# Altium PCB PCB1.PcbDoc
Units mil, origin at the board's own origin, x right, y up, seen from the top; angles counter-clockwise.
Board outline 1589.8 x 590.55 mil, 4 copper layers (Top Layer, Int1 (GND), Int2 (PWR), Bottom Layer), stack 49.912 mil thick; 44 components, 39 nets, 229 pads, 119 vias.
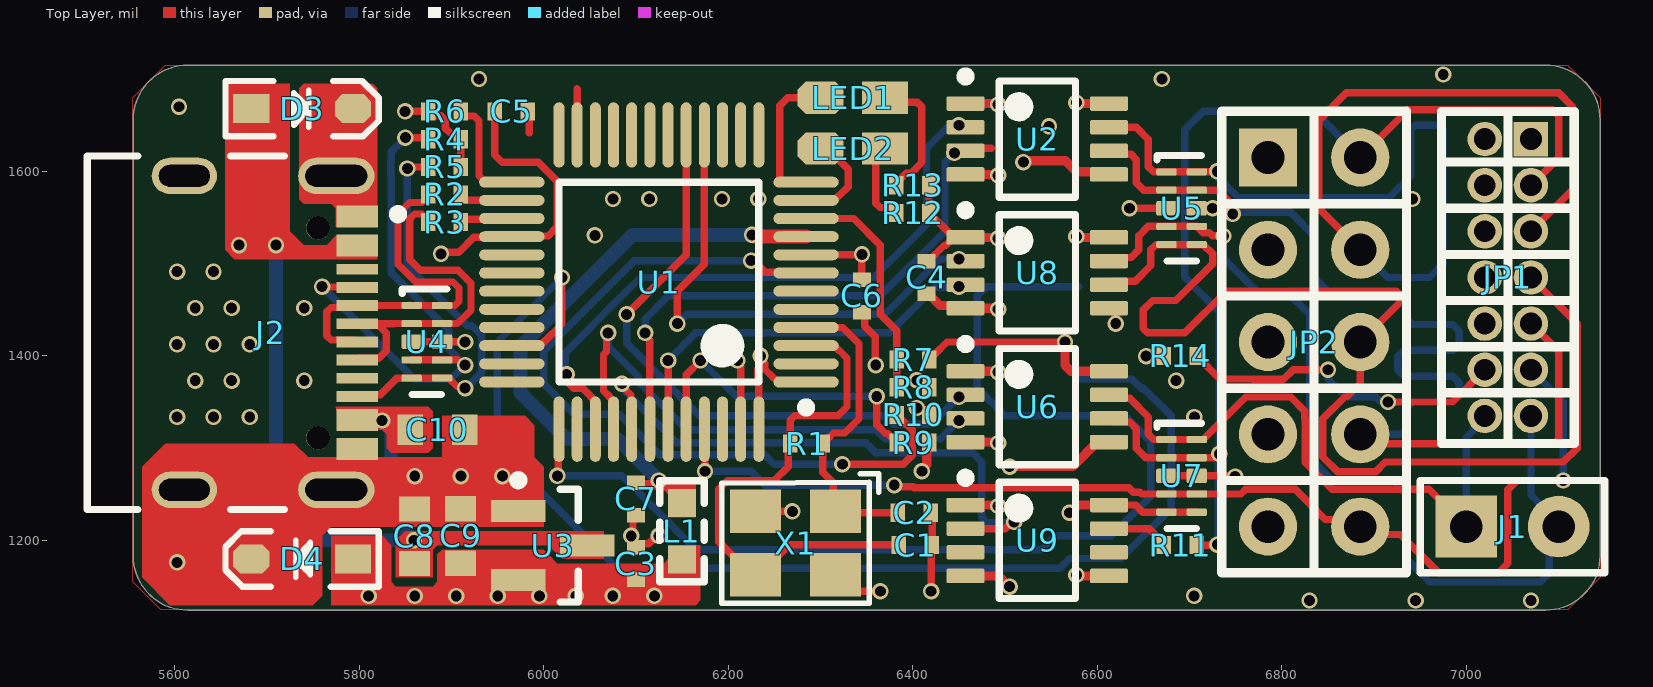
[diagram p0: Top Layer view]
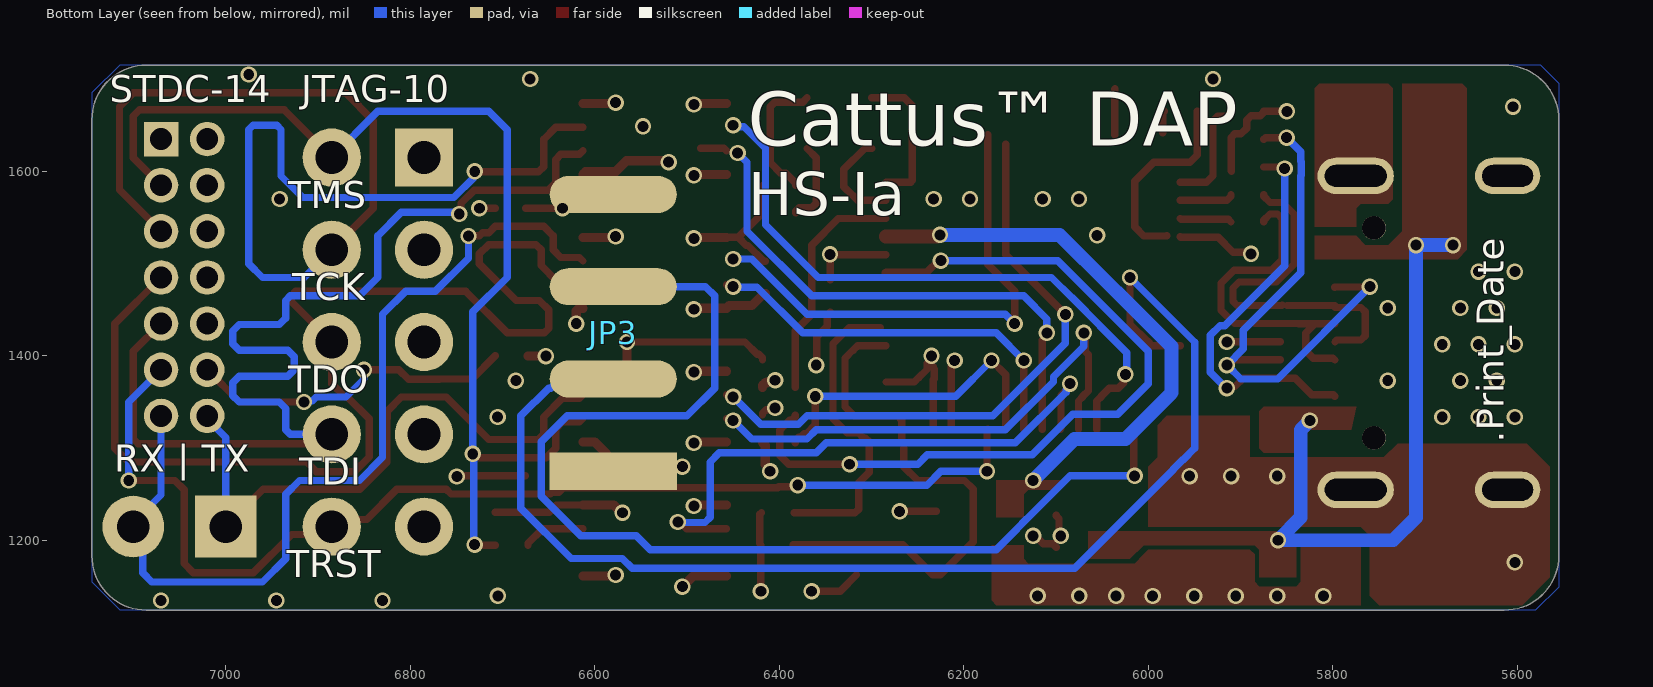
[diagram p1: Bottom Layer view, seen from below]
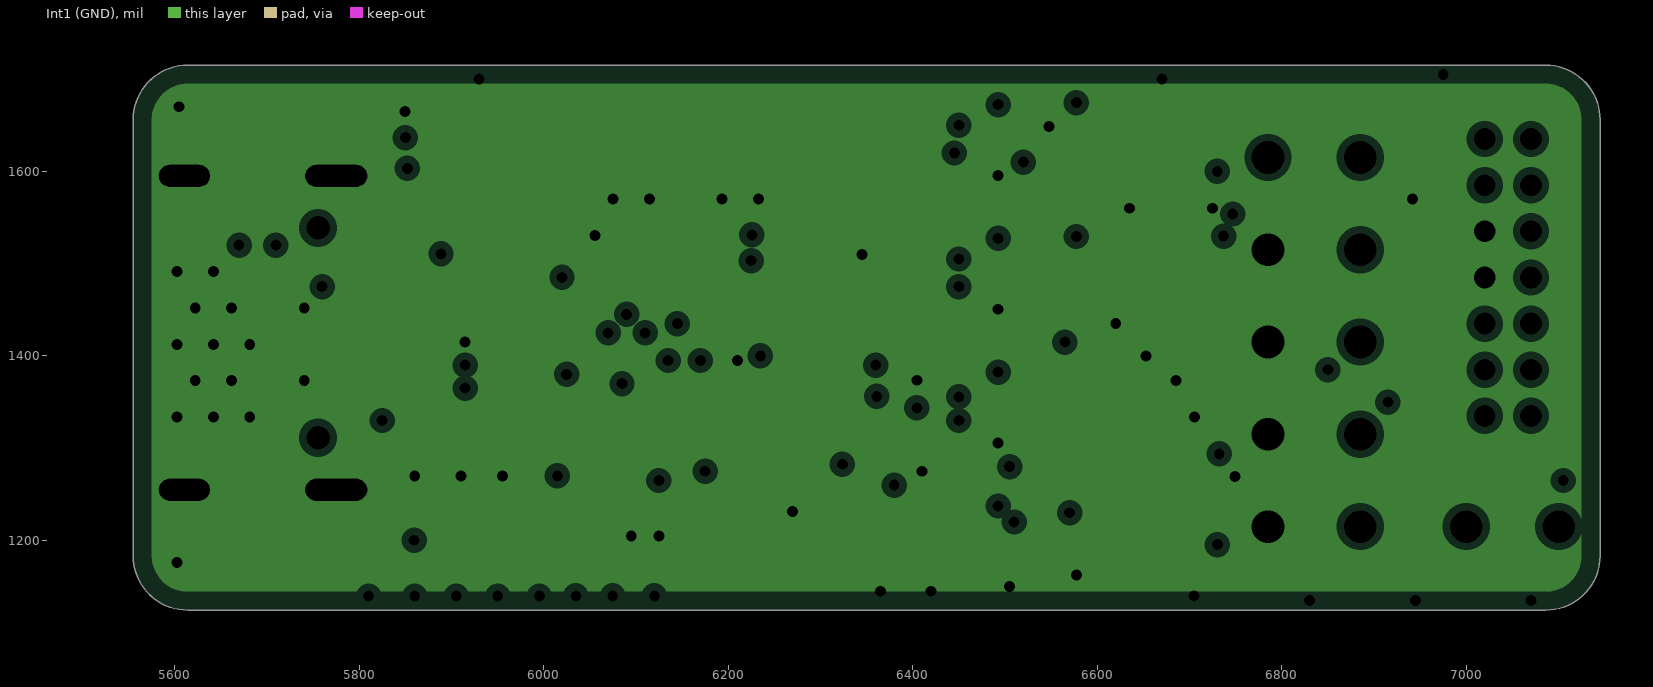
[diagram p2: Int1 (GND), clearances drawn from the general rule]
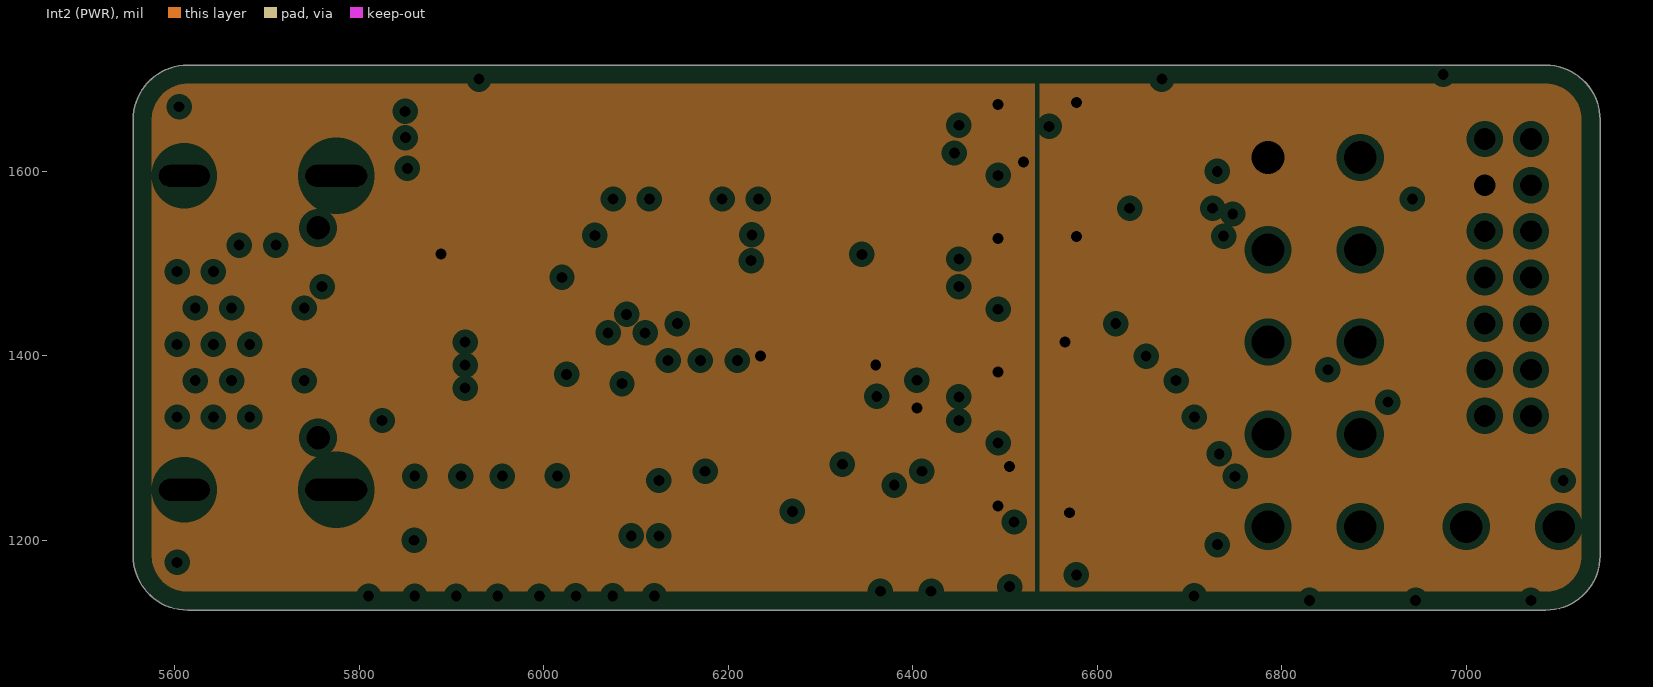
[diagram p3: Int2 (PWR), clearances drawn from the general rule]

## Layer stack, top to bottom
Top Solder: solder mask 1, SM-001, Dk 4
Top Layer: signal copper 1.378
Dielectric 1: prepreg 8.2, PP-022, Dk 4.5
Int1 (GND): plane copper 1.378, net GND
Dielectric 3: core 28, Core-039, Dk 4.8
Int2 (PWR): plane copper 1.378, net (Multiple Nets)
Dielectric 5: prepreg 8.2, PP-022, Dk 4.5
Bottom Layer: signal copper 1.378
Bottom Solder: solder mask 1, SM-001, Dk 4

## Board outline
5555.2,1183.5 5555.2,1655.94 cw(c5614.25,1655.94) 5614.25,1715 7085.94,1715 cw(c7085.94,1655.94) 7145,1655.94 7145,1183.5 cw(c7085.94,1183.5) 7085.94,1124.45 5614.25,1124.45 cw(c5614.25,1183.5)

## Design rules (kind name [scope] priority, off if disabled: settings)
Clearance [All] p1: gap=5 ignorepadtopadclearanceinfootprint=FALSE except(0: Arc-Hole Track-Hole SMDPad-Hole THPad-Hole Via-Hole Fill-Hole Poly-Hole Region-Hole Text-Hole)
DiffPairsRouting [All] p1: maxlimit=5 minlimit=5 mostfreqgap=5 toplayer_minwidth=7.77 toplayer_maxwidth=7.77 toplayer_prefwidth=7.77 bottomlayer_minwidth=7.77 bottomlayer_maxwidth=7.77 bottomlayer_prefwidth=7.77 impedanceprofiledriven=TRUE impedanceprofileid={6FD4D271-8D20-4799-85E0-E9145273AF38} impedanceprofilevalue=90.000000 maxuncoupledlength=500
MinimumSolderMaskSliver [All] p1: minsoldermaskwidth=3
PlaneClearance [All] p1: clearance=7.87
PlaneConnect [All] p1: pad.planeconnectstyle=Relief pad.reliefexpansion=20 pad.reliefentries=4 pad.reliefconductorwidth=10 pad.reliefairgap=10 via.planeconnectstyle=Direct via.reliefexpansion=20 via.reliefentries=4 via.reliefconductorwidth=10 via.reliefairgap=10
PolygonConnect [All] p1: thpad.connectstyle=Relief thpad.reliefconductorwidth=10 thpad.reliefentries=4 thpad.polygonreliefangle="90 Angle" thpad.airgapwidth=10 smdpad.connectstyle=Relief smdpad.reliefconductorwidth=10 smdpad.reliefentries=4 smdpad.polygonreliefangle="90 Angle" smdpad.airgapwidth=10 via.connectstyle=Direct via.reliefconductorwidth=10 via.reliefentries=4 via.polygonreliefangle="90 Angle" via.airgapwidth=10
RoutingVias [All] p1: holewidth=28 width=50 viastyle="Through Hole" minholewidth=11.81 minwidth=15.75 maxholewidth=11.81 maxwidth=17.72
SolderMaskExpansion SolderMaskExpansion_1 [IsVia] p1: expansion=0 istentingtop=TRUE
SolderMaskExpansion [All] p2: expansion=0 istentingtop=FALSE
Width [All] p1: maxlimit=20 minlimit=4 preferedwidth=8 minimp=50.000000 maximp=50.000000 favimp=50.000000
26 further rules are at their usual default settings.

## Classes and differential pairs
differential pair USB_HS_D: +USB_HS_D_P -USB_HS_D_N

## Components (designator, comment, footprint, x,y, rotation, side; value= is the part's Value field where it differs from the comment)
C1 "20pF" C0402 6402.72,1195 r0 top
C2 "20pF" C0402 6401.63,1230 r0 top
C3 "1uF" C0402 6100,1175 r90 top
C4 "1uF" C0402 6415,1485 r270 top
C5 "1uF" C0402 5965,1665 r0 top
C6 "1uF" C0402 6345,1465 r90 top
C7 "1uF" C0402 6100,1245 r270 top
C8 "10uF" C0603 5860,1204.53 r90 top
C9 "10uF" C0603 5910,1205 r90 top
C10 "10uF" C0603 5885,1320 r0 top
D3 "H5VLD3B" SOD-323 5738.33,1667.92 r0 top locked
D4 "H3V3SD3B" SOD-323 5738.33,1180 r180 top locked
J1 "HDR-1X2" HDR2.54-LI-2P 7050,1215 r0 top
J2 "USB4105-GF-A" FP-USB4105-GF-A-MFG 5656.64,1425 r270 top locked
JP1 "Header 2X7" HDR1.27-LI-2x7P 7045,1485 r270 top locked
JP2 "Header 5X2" HDR2.54-LI-2x5P 6835,1415 r270 top locked
JP3 "HDR-1X4" HDR2.54-WS-4P 6580,1425 r90 bottom
L1 "600Ohms@100Mhz" "L 0603_L" 6150,1210 r90 top
LED1 "RED_POWER" "LED 0603R" 6335,1680 r180 top
LED2 "GREEN_LINK" "LED 0603G" 6335,1625 r180 top
R1 "1M" R0402 6285,1305 r180 top
R2 "0" R0402 5892.72,1575 r0 top
R3 "0" R0402 5892.72,1545 r0 top
R4 "5.1k" R0402 5892.71,1634.7 r180 top
R5 "5.1k" R0402 5892.71,1604.7 r180 top
R6 "12k 1%" R0402 5892.71,1665 r0 top
R7 "10k" R0402 6400.46,1396.01 r0 top
R8 "10k" R0402 6400.46,1366.01 r180 top
R9 "10k" R0402 6400.46,1306.01 r180 top
R10 "10k" R0402 6400.46,1336.01 r180 top
R11 "100" R0402 6690,1195 r180 top
R12 "2.2k" R0402 6400,1555 r180 top
R13 "4.7k" R0402 6400,1585 r180 top
R14 "100" R0402 6690,1400 r0 top
U1 "AT32F405CCT7" STM-LQFP48_N 6125,1480 r180 top locked
U2 "SN74LVC2T45DCTR" DCT0008A_N 6535,1635 r0 top
U3 "XC6206P332MR" SOT-23-TT3_N 6010,1194.4 r0 top
U4 "H5VU25U" DQA0010A_V 5873.56,1415.31 r0 top locked
U5 "H5VU25U" DQA0010A_V 6691.44,1560 r0 top
U6 "SN74LVC2T45DCTR" DCT0008A_N 6535,1345 r0 top
U7 "H5VU25U" DQA0010A_V 6691.44,1270 r0 top
U8 "SN74LVC2T45DCTR" DCT0008A_N 6535,1490 r0 top
U9 "SN74LVC2T45DCTR" DCT0008A_N 6535,1200 r0 top
X1 "TBD" 3225 6273.03,1197.12 r180 top

## Footprints (in the part's own frame and the unit in brackets; to place one, negate y for a bottom-side part, rotate by r counter-clockwise, add the part's x,y. Pads: shape width x height; smd on the part's side, far side on the other; paste and mask are expansions set on the pad)
3225 [mm]
  rect 1.4x1.2 smd mask+0.051: 1(-1.1,-0.875) 2(1.1,-0.875) 3(1.1,0.875) 4(-1.1,0.875)
  silkscreen extent -2.29,-1.9 2.03,1.65
C0402 [mm]
  rect 0.4x0.5 smd: 1(-0.45,0) 2(0.45,0)
  body extent -0.5,-0.25 0.5,0.25, height 0.5
C0603 [mm]
  rect 0.7x0.85 smd: 1(-0.75,0) 2(0.75,0)
  body extent -0.8,-0.41 0.8,0.39, height 0.8
DCT0008A_N [mm] "SOP, 8-Leads, Body 2.9x3.2mm, Pitch 0.65mm, IPC Medium Density"
  rrect25% 1.05x0.4 smd: 1(-1.975,0.975) 2(-1.975,0.325) 3(-1.975,-0.325) 4(-1.975,-0.975) 5(1.975,-0.975) 6(1.975,-0.325) 7(1.975,0.325) 8(1.975,0.975)
  silkscreen extent -2.1,-1.6 1.05,1.85, body extent -2.01,-1.47 2.01,1.48, height 1.3
DQA0010A_V [mm] "SON, 10-Leads, Body 1x2.5mm, Pitch 0.5mm, TI Recommended"
  rrect50% 0.565x0.2 smd: 1(-0.417,1) 2(-0.417,0.5) 4(-0.417,-0.5) 5(-0.417,-1) 6(0.417,-1) 7(0.417,-0.5) 9(0.417,0.5) 10(0.417,1)
  rrect28% 0.565x0.36 on Top Paste: 3(-0.417,0) 8(0.417,0)
  rrect25% 0.565x0.4 smd paste-0.2: 3(-0.417,0) 8(0.417,0)
  silkscreen extent -0.67,-1.45 0.55,1.45, body extent -0.55,-1.3 0.55,1.3, height 0.56
FP-USB4105-GF-A-MFG [mm]
  rrect100% 1x2.1 hole 1.7 slot 0.6 at 0 deg paste-2539.97 mask+0: 1(-4.32,3.015) 2(4.32,3.015)
  rrect100% 1x1.8 hole 1.4 slot 0.6 at 0 deg paste-2539.97 mask+0: 3(-4.32,-1.165) 4(4.32,-1.165)
  rect 0.6x1.15 smd paste+0 mask+0: A1-B12(-3.2,3.59) A4-B9(-2.4,3.59) B1-A12(3.2,3.59) B4-A9(2.4,3.59)
  rect 0.3x1.15 smd paste+0 mask+0: A5(-1.25,3.59) A6(-0.25,3.59) A7(0.25,3.59) A8(1.25,3.59) B5(1.75,3.59) B6(0.75,3.59) B7(-0.75,3.59) B8(-1.75,3.59)
  round 0.65 hole 0.65 unplated paste-2539.97 mask+0: ""(-2.89,2.515) ""(2.89,2.515)
  silkscreen extent -4.86,-3.84 4.86,4.84, body extent -4.96,-3.94 4.96,4.27, height 0.25
HDR1.27-LI-2x7P [mm] "双排直插，脚距：1.27mm"
  rect 0.95x0.95 hole 0.6: 1(-3.81,0.635)
  round 0.95 hole 0.6: 2(-3.81,-0.635) 3(-2.54,0.635) 4(-2.54,-0.635) 5(-1.27,0.635) 6(-1.27,-0.635) 7(0,0.635) 8(0,-0.635) 9(1.27,0.635) 10(1.27,-0.635) 11(2.54,0.635) 12(2.54,-0.635) 13(3.81,0.635) 14(3.81,-0.635)
  silkscreen extent -4.57,-1.83 4.57,1.83, body extent -4.44,-1.7 4.45,1.7, height 3.85
HDR2.54-LI-2P [mm] "排针，2脚"
  rect 1.7x1.7 hole 0.9: 1(-1.27,0)
  round 1.7 hole 0.9: 2(1.27,0)
  silkscreen extent -2.54,-1.27 2.54,1.27, body extent -2.54,-1.27 2.54,1.27, height 8.5
HDR2.54-LI-2x5P [mm] "双排排针，5x2脚"
  rect 1.6x1.6 hole 0.9: 1(-5.08,-1.27)
  round 1.6 hole 0.9: 2(-5.08,1.27) 3(-2.54,-1.27) 4(-2.54,1.27) 5(0,-1.27) 6(0,1.27) 7(2.54,-1.27) 8(2.54,1.27) 9(5.08,-1.27) 10(5.08,1.27)
  silkscreen extent -6.35,-2.54 6.35,2.54, body extent -6.35,-2.54 6.35,2.54, height 8.5
HDR2.54-WS-4P [mm] "4P卧式贴片排针2.54"
  rect 1.02x3.5 smd: 1(-3.81,0)
  oval 1.02x3.5 smd: 2(-1.27,0) 3(1.27,0) 4(3.81,0)
"L 0603_L" [mil] "小功率贴片电感"
  rect 30x30 smd: 1(-30.59,0) 2(30.59,0)
  silkscreen extent -55,-24 55,24, body extent -31,-16 32,16, height 31
"LED 0603G" [mil] "绿色0603LED"
  rect 50x35 smd: 1(-35,0.26)
  oct 50x35 smd: 2(35,0.26)
  body extent -31,-16 32,16, height 24
"LED 0603R" [mil] "红色0603LED"
  rect 50x35 smd: 1(-35,0.26)
  oct 50x35 smd: 2(35,0.26)
  body extent -31,-16 32,16, height 24
R0402 [mm]
  rect 0.4x0.5 smd: 1(-0.45,0) 2(0.45,0)
  body extent -0.5,-0.25 0.5,0.25, height 0.3
SOD-323 [mm] "1.8x1.3X0.9mm（长宽高，不包括引脚）"
  rect 1x0.8 smd: 1(-1.4,0)
  oct 1x0.8 smd: 2(1.4,0)
  silkscreen extent -2.11,-0.76 2.11,0.76, body extent -1.34,-0.63 1.31,0.67, height 1
SOT-23-TT3_N [mm] "SOT23, 3-Leads, Body 2.9x1.3mm, Pitch 0.95mm, Lead Span 2.4mm, IPC Medium Density"
  rect 1.5x0.6 smd: 1(-0.95,0.95) 2(-0.95,-0.95) 3(0.95,0)
  silkscreen extent -1.07,-1.55 0.7,1.92, body extent -0.7,-1.52 0.7,1.53, height 1.12
STM-LQFP48_N [mm] "QFP, 48-Leads, Body 7x7mm, Pitch 0.5mm, IPC Medium Density"
  oval 1.8x0.3 smd: 1(-4.05,2.75) 2(-4.05,2.25) 3(-4.05,1.75) 4(-4.05,1.25) 5(-4.05,0.75) 6(-4.05,0.25) 7(-4.05,-0.25) 8(-4.05,-0.75) 9(-4.05,-1.25) 10(-4.05,-1.75) 11(-4.05,-2.25) 12(-4.05,-2.75) 25(4.05,-2.75) 26(4.05,-2.25) 27(4.05,-1.75) 28(4.05,-1.25) 29(4.05,-0.75) 30(4.05,-0.25) 31(4.05,0.25) 32(4.05,0.75) 33(4.05,1.25) 34(4.05,1.75) 35(4.05,2.25) 36(4.05,2.75)
  oval 0.3x1.8 smd: 13(-2.75,-4.05) 14(-2.25,-4.05) 15(-1.75,-4.05) 16(-1.25,-4.05) 17(-0.75,-4.05) 18(-0.25,-4.05) 19(0.25,-4.05) 20(0.75,-4.05) 21(1.25,-4.05) 22(1.75,-4.05) 23(2.25,-4.05) 24(2.75,-4.05) 37(2.75,4.05) 38(2.25,4.05) 39(1.75,4.05) 40(1.25,4.05) 41(0.75,4.05) 42(0.25,4.05) 43(-0.25,4.05) 44(-0.75,4.05) 45(-1.25,4.05) 46(-1.75,4.05) 47(-2.25,4.05) 48(-2.75,4.05)
  silkscreen extent -4.18,-2.75 2.75,3.57, body extent -3.5,-3.5 3.5,3.5, height 1.6

## Part data
C1 C2 C3 C4 C5 C6 C7 C8 C9 C10: library part C
D3 D4: library part Generic_BiTVS, "瞬态电压抑制二极管", BOM名称=瞬态电压抑制二极管, 学习资源=www.ooocke.com, 版权归属=源创客
J1: library part "Header 2", BOM名称=2P接插件, 学习资源=www.ooocke.com, 版权归属=源创客
J2: library part CMP-245163-000001-1, "CONN RCPT USB2.0 TYPEC 5A", Current Rating=5/6.25/1.25/0.25A, Manufacturer=GCT, Package=0, Temperature="-40°C to +85°C", Temperature Range High=+85°C, Temperature Range Low=-40°C, Voltage Rating=20V, Automotive=No, Category=Conn, ComponentLink2Description=Datasheet, ComponentLink2URL=https://gct.co/files/drawings/usb4105.pdf, Conn Orientation="Right Angle", Contact Material=Gold,Nickel, Device Class L1=Connectors, Device Class L2="USB Connectors", Device Class L3=unset, Digikey Description="CONN RCPT USB2.0 TYPEC 5A", Height=3.46mm, Is Female=yes, Lead Free=Yes, Manufacturer Part Number=USB4105-GF-A, Number Of Contacts=16, Octopart=https://octopart.com/usb4105-gf-a-gct-106627878, RoHS=TRUE, Usb Standard="USB 2.0"
JP1: library part "Header 7X2", "7*2P接插件", BOM名称=7*2P接插件, 学习资源=www.ooocke.com, 版权归属=源创客
JP2: "5*2P接插件", BOM名称=5*2P接插件, 学习资源=www.ooocke.com, 版权归属=源创客
JP3: library part "Header 4", "4P接插件", BOM名称=4P接插件, 学习资源=www.ooocke.com, 版权归属=源创客
L1: library part L
LED1 LED2: library part D
R1 R2 R3 R4 R5 R6 R7 R8 R9 R10 R11 R12 R13 R14: library part R
U1: library part CMP-0572-00014-2, "ARM Cortex-M4 32-bit MCU, 128 KB Flash, 32 KB Internal RAM, 37 I/Os, 48-pin LQFP, -40 to 85 degC, Tray", I/Os (High Current)=37, Operating Frequency(F) (Processor speed) (MHz)=72, PartNumber=STM32F303CBT6, Supply Voltage(Vcc) min (V)=2, ComponentLink1Description="Manufacturer URL", ComponentLink1URL=http://www.st.com/web/en/home.html, ComponentLink2Description=Datasheet, ComponentLink2URL=http://www.st.com/st-web-ui/static/active/en/resource/technical/document/datasheet/DM00058181.pdf, ComponentLink3Description="Package Specification", ComponentLink3URL=http://www.st.com/st-web-ui/static/active/en/resource/technical/document/datasheet/DM00058181.pdf, Core="ARM Cortex-M4", D/A Converter="2x12-bit (2 Channel)", DatasheetVersion="Rev. 6", FLASH Size (Prog) (kB)=128, Internal RAM Size (kB)=32, Mounting Technology="Surface Mount", PackageDescription="48-Pin Low Profile Quad Flat Package, 7 x 7 mm Body, 0.5 mm Pitch", PackageReference=LQFP48, PackageVersion="Rev. 6, 06/2013", Packing=Tray
U2 U6 U8 U9: library part CMP-0859-00006-4, "Dual-Bit Dual Supply Transceiver with Configurable Voltage Translation and 3-State Outputs, DCT0008A, LARGE T&R", F @ Nom Voltage(Max)(Mhz)=150, Generic Part Number=SN74LVC2T45, ICC @ Nom Voltage(Max)(mA)=0.004, Manufacturer="Texas Instruments", Operating Temperature Range(C)="-40 to 85", Rating=Military, tpd @ Nom Voltage(Max)(ns)=17.7,10.3,8.3,7.2, Voltage(Nom)(V)=1.8,2.5,3.3,5, 3-State Output=Yes, Bits(#)=2, DatasheetVersion=SCES516J, Input Type=CMOS/TTL, Logic=True, Output Drive (IOL/IOH)(Max)(mA)=32/-32, Output Type=CMOS, PackageReference=DCT0008A, Schmitt Trigger=No, Sub-Family="Dual Supply Translator", Technology Family=LVC, VCC(Max)(V)=5.5, VCC(Min)(V)=1.65
U3: library part CMP-0136-00791-1, "Low Quiescent Current LDO, 3-Pin SOT-23, Extended Temperature, Tape and Reel", Code_IPC=SOT23-3, DatasheetVersion="revB, Feb-2007", PackageDescription="3-Lead Plastic Small Outline Transistor (TT) [SOT-23]", PackageReference=SOT-23-TT3, PackageVersion="revBB, Aug-2009"
U4 U5 U7: library part CMP-0326-00027-3, "ESD Solution for Super-Speed (6 GBPS) USB 3.0 Interface, 4 Channels, -40 to +85 degC, 10-pin SON (DQA), Green (RoHS & no Sb/Br)", Breakdown Voltage(Min)(V)=8, Differential Capacitance(pF)=0.05, IO Capacitance(Typ)(pF)=0.8, IO Leakage Current(nA)=10, Manufacturer="Texas Instruments", PartNumber=TPD4EUSB30DQAR, 1394 / Firewire=TRUE, ComponentLink1Description="Manufacturer URL", ComponentLink1URL=http://www.ti.com/, ComponentLink2Description=Datasheet, ComponentLink2URL=http://www.ti.com/general/docs/lit/getliterature.tsp?genericPartNumber=TPD4EUSB30&fileType=pdf, ComponentLink3Description="URL Link1", ComponentLink3URL=SamplesURL:http://www.ti.com/product/tpd4eusb30#samples, DatasheetVersion=SLVSAC2C, Eco-Plan="Green (RoHS & no Sb/Br)", HDMI=TRUE, IEC 61000-4-2 Air-Gap(+/- kV)=8, IEC 61000-4-2 Contact(+/- kV)=8, Mounting Technology="Surface Mount", PackageDescription="10-Pin Plastic Small Outline No-Lead, 1 x 2.5 x 0.55 mm Body, 0.5 mm Pitch", PackageReference=DQA0010A, PackageVersion="revB, Sep-2009", Serial ATA / eSATA=TRUE, SubFamily="ESD Solution", USB Full Speed=TRUE, USB High Speed=TRUE, USB Super Speed=TRUE
X1: library part X

## Via types
v1: diameter 17.72, hole 11.81, Top Layer to Bottom Layer, tented both sides, 119 vias

## Nets (pads, with @x,y where several pads share a name; then routed paths per layer and width w, separated by ;. In a path a pad name is that pad's centre, name@x,y a point inside that pad or via, vN(x,y) a via of type N, cw(c..) or ccw(c..) an arc to the next point about the centre after c; other vN are vias at no path point)
3V3: C3.1 C4.1 C5.1 C6.1 C9.1 D4.1 JP3.1 L1.1 R10.1 R12.1 R13.1 U1.1 U1.28 U1.48 U2.1 U2.5 U3.2 U6.1 U6.5 U8.1 U9.1 | length 1011
  Top Layer w7.99: v1(5888.87,1510.63) 5890.73,1512.49 5908.36,1512.49 5924.35,1528.48 5964.82,1528.48 U1.28 ; C5.1 5947.28,1617.72 5955,1610 5994.42,1610 6015,1589.42 6015,1540 6004.94,1529.94 5980.06,1529.94 U1.28@5980,1530 ; 6233.14,1388.4 6233.14,1386.37 6232.21,1385.44 6232.21,1375.16 6233.27,1374.1 U1.48 ; 6236.86,1388.4 6236.86,1398.14 v1(6235,1400) 6235,1397.37 6240.02,1392.35 6240.02,1390.46 6240.02,1385.24 6248.75,1376.52 6249.1,1376.52 6253.89,1371.73 U1.1 ; C6.1 6347.9,1444.39 6347.9,1432.1 6359.27,1420.73 6359.27,1390.73 v1(6360,1390) ; v1(6404.48,1343.59) 6406.34,1341.73 6414.3,1341.73 6418.18,1337.85 R10.1 ; C4.1 6416.97,1502.72 6433.92,1519.67 6435.73,1519.67 U8.1@6444.45,1528.39 ; R13.1 6417.72,1555.12 U8.1@6444.45,1528.39 ; U8.1 U8.1@6444.45,1528.39
  Top Layer w10: U9.1 6491.57,1238.39 v1(6492.59,1237.37) ; U6.1 6491.57,1383.39 v1(6492.59,1382.37) ; U8.1 6491.57,1528.39 v1(6492.59,1527.37) ; U2.1 6491.57,1673.39 v1(6492.59,1672.37) ; v1(6505,1280) 6573.35,1280 6599.96,1306.61 U6.5 ; v1(6520,1610) 6521.48,1611.48 6565.61,1611.48 6577.6,1599.49 6609.88,1599.49 U2.5
  other v1: 5810.37,1139.77 5860.37,1139.77 5905.37,1139.77 5950.37,1139.77 5995.37,1139.77 6035,1140 6075,1140 6120,1140
5V: C8.1 C10.1 D3.1 J2.A4-B9 J2.B4-A9 U3.3 | length 639
  Bottom Layer w15: v1(5670,1520) v1(5710,1520) 5710,1225 5734.77,1200.23 v1(5859.63,1200.23) 5835,1224.86 5835,1319.85 5825,1329.85 v1(5825,1330)
DEBUGGER_SWDCK: JP3.3 U1.37 | length 1236.7
  Top Layer w7.99: v1(6015,1270) 6016,1271 6016,1319.82 U1.37
  Bottom Layer w7.99: v1(6015,1270) 6085,1270 6132.15,1222.85 6132.4,1222.85 6142.85,1212.4 6142.85,1212.15 6165,1190 6540,1190 6555,1205 6615,1205 6657.89,1247.89 6657.89,1307.11 6630,1335 6500,1335 6470,1365 6470,1465 6480,1475 JP3.3
DEBUGGER_SWDIO: JP3.2 U1.34 | length 1356.1
  Top Layer w7.99: U1.34 5996.1,1411.1 6000.89,1415.89 6001.25,1415.89 6020,1434.63 v1(6020,1485)
  Bottom Layer w7.99: v1(6020,1485) 5950,1415 5950,1300 5962.38,1287.62 5962.77,1287.62 5973.22,1277.16 5973.22,1276.78 6080,1170 6559.52,1170 6570.01,1180.49 6625.49,1180.49 6680,1235 6680,1335 6650,1365 6647.52,1365 6637.52,1375 JP3.2
GND: C1.2 C2.2 C3.2 C4.2 C5.2 C6.2 C7.2 C8.2 C9.2 C10.2 D3.2 D4.2 J2.1 J2.2 J2.3 J2.4 J2.A1-B12 J2.B1-A12 JP1.6 JP1.8 JP2.3 JP2.5 JP2.7 JP2.9 JP3.4 R4.1 R5.1 R6.1 R8.1 R9.1 R14.1 U1.8 U1.23 U1.47 U2.4 U3.1 U4.3@5857.13,1415.32 U4.8@5890,1415.32 U5.3@6675,1560 U5.8@6707.87,1560 U6.4 U7.3@6675,1270 U7.8@6707.87,1270 U8.4 U8.5 U9.4 U9.5 X1.2 X1.4 | length 1114.7
  Top Layer w7.99: v1(5850,1665) R6.1 5875,1664.07 5878.87,1660.19 5888.87,1660.19 5893.56,1655.51 5893.56,1646.67 5899.68,1640.55 5906.55,1640.55 5910.43,1636.67 R4.1 R5.1 5910.43,1600.43 R5.1@5910,1600 ; U4.3@5857.13,1415.32 5857.28,1415.16 5914.84,1415.16 v1(5915,1415) ; C5.2 5984.52,1663.2 5984.52,1641.74 ; 6036.19,1689.51 6036.42,1689.28 U1.23 ; v1(6095,1205) 6096.86,1206.86 6096.86,1223.41 6100,1226.55 C7.2 ; C3.2 6103.88,1196.59 6113.96,1196.59 6122.37,1205 v1(6125,1205) ; v1(6210,1395) 6210,1392.37 6213.58,1388.79 U1.47 ; X1.2 v1(6269.67,1231.57) ; U1.8 6344.53,1509.53 v1(6345,1510) C6.2 ; X1.4 6334.01,1145 v1(6365,1145) ; C2.2 6421.03,1228.31 C1.2@6421.03,1196.69 ; v1(6420,1145) 6420.22,1145.22 6420.22,1194.78 C1.2 ; v1(6635,1560) U5.3@6675,1560 ; U7.3@6675,1270 v1@6748.82,1270 ; U5.8@6707.87,1560 v1(6725,1560)
  Top Layer w10: v1(6404.48,1373.59) 6405.96,1372.11 6412.08,1372.11 6413.34,1370.85 6415.31,1370.85 6418.18,1367.98 R8.1 ; v1(6410,1275) 6410,1277.09 6415.31,1282.39 6415.31,1303.14 R9.1 ; C4.2 6416.97,1467.28 6429.76,1454.49 6454.37,1454.49 U8.4 6491.57,1451.61 v1(6492.59,1450.59) ; U9.4 6492.91,1161.61 6504.53,1150 v1(6505,1150) ; U6.4 6491.57,1306.61 v1(6492.59,1305.59) ; U2.4 6491.57,1596.61 v1(6492.59,1595.59) ; v1(6577.41,1162.63) 6578.43,1161.61 U9.5 ; U8.5 6617.13,1451.61 6620,1448.74 v1(6620,1435) ; v1(6653.01,1399.69) 6653.32,1400 R14.1
  other v1: 6830,1135 6945,1135 7070,1135 6705,1140 5602.87,1176.3 6749.44,1269.39 5860.37,1269.77 5910.37,1269.77 5955.37,1269.77 5602.87,1333.78 5642.24,1333.78 5681.61,1333.78 6705.24,1333.78 5622.56,1373.15 5661.93,1373.15 5740.67,1373.15 6685.55,1373.15 5602.87,1412.52 5642.24,1412.52 5681.61,1412.52 5622.56,1451.89 5661.93,1451.89 5740.67,1451.89 5602.87,1491.26 5642.24,1491.26 6055.63,1530.63 6075.31,1570 6114.69,1570 6193.43,1570 6232.8,1570 6941.46,1570 6547.76,1648.74 5605,1670 5930,1700 6670,1700 6975,1705
LINK_LED: LED2.2 U1.11 | length 110
  Top Layer w7.99: U1.11 6315.01,1568.58 6319.79,1573.37 6320.15,1573.37 6330,1583.22 6330,1602.24 6307.5,1624.74 LED2.2
NetC1_1: C1.1 R1.2 U1.3 X1.3 | length 581.5
  Top Layer w7.99: R1.2@6265,1300 6265,1280 6250,1265 6199.25,1265 6190,1255.75 6190,1198.46 6225.79,1162.67 X1.3 6233.66,1162.67 6266.28,1195.29 6384.71,1195.29 C1.1 ; R1.2 6267.29,1330.32 6271.97,1335 6319.08,1335 6328.88,1344.8 6328.88,1397.59 6320.15,1406.32 6319.79,1406.32 6315.01,1411.1 U1.3
NetC2_1: C2.1 R1.1 U1.4 X1.1 | length 338.4
  Top Layer w7.99: U1.4@6290.79,1430.79 6324.21,1430.79 6341.87,1413.13 6341.87,1331.87 6326.4,1316.4 6314.12,1316.4 6308.56,1310.85 6306.59,1310.85 6302.72,1306.97 6302.72,1273.81 6314.03,1262.5 6314.03,1233.89 6317.91,1230 C2.1
NetC7_1: C7.1 L1.2 U1.9 | length 599.9
  Top Layer w15: v1(6225.81,1531.2) 6226.55,1531.2 6228.35,1529.4 6245.6,1529.4 6245.79,1529.21 U1.9
  Bottom Layer w15: v1(6125,1265) 6080,1310 6025,1310 5975,1360 5975,1410 6028.64,1463.64 6028.85,1463.64 6041.36,1476.15 6041.36,1476.36 6096.2,1531.2 v1(6225.81,1531.2)
NetJP1_12: JP1.12 R14.2 | length 362
  Top Layer w7.99: R14.2 6732.73,1374.98 6767.75,1374.98 6768.23,1374.51 6801.77,1374.51 6812.26,1385 v1(6850,1385) ; v1(6915,1350) 6985.01,1350 JP1.12
  Bottom Layer w7.99: v1(6850,1385) 6850,1375 6869.51,1355.49 6901.77,1355.49 6906.13,1351.13 6913.87,1351.13 v1(6915,1350)
NetLED1_1: LED1.1 R13.2 | length 143.5
  Top Layer w7.99: LED1.1 6374.74,1675 6405,1675 6410,1670 6410,1609.53 6398.34,1597.87 6393.18,1597.87 6382.29,1586.97 R13.2
NetLED2_1: LED2.1 R12.2 | length 91.2
  Top Layer w7.99: LED2.1 6360,1614.75 6360,1565.53 6364.68,1560.85 6378.41,1560.85 6382.29,1556.97 R12.2
NetR2_2: R2.2 U1.26 | length 58.9
  Top Layer w7.77: R2.2 5910.43,1573.03 5914.88,1568.58 U1.26
NetR3_2: R3.2 U1.27 | length 56.7
  Top Layer w7.77: R3.2 5913.56,1548.12 5964.78,1548.12 U1.27
NetR6_2: R6.2 U1.25 | length 122.7
  Top Layer w7.99: R6.2@5910,1665 5910,1664.3 5914.3,1660 5925,1660 5930,1655 5930,1595.32 5937.06,1588.27 U1.25
NetR7_1: R7.1 R8.2 U1.10 | length 252.8
  Top Layer w7.99: U1.10 6336.1,1548.9 6365,1520 6365,1445 6382.75,1427.25 R7.1 ; R8.2 6382.75,1390.16 R7.1@6382.75,1395
NetR9_2: R9.2 U1.44 | length 349.6
  Top Layer w7.99: U1.44 6154.53,1379.53 v1(6170,1395) ; v1(6361.02,1356.12) 6361.02,1325.34 6370.47,1315.89 6372.88,1315.89 6376.9,1311.86 6378.87,1311.86 6382.75,1307.98 R9.2
  Bottom Layer w7.99: v1(6170,1395) 6208.88,1356.12 v1(6361.02,1356.12)
NetR10_2: R10.2 U1.7 | length 858.1
  Top Layer w7.99: v1(6224.91,1503.27) 6227.54,1503.27 6240.24,1490.57 6284.43,1490.57 U1.7@6285,1490 ; v1(6323.82,1282.62) 6389.8,1282.62 6399.62,1292.44 6399.62,1319.58 6394.35,1324.85 6393.91,1324.85 6388.6,1330.17 6386.63,1330.17 6382.75,1334.05 R10.2
  Bottom Layer w7.99: v1(6224.91,1503.27) 6098.27,1503.27 6000,1405 6000,1370 6033.13,1336.87 6081.87,1336.87 6125.88,1292.85 6239.51,1292.85 6249.74,1282.62 v1(6323.82,1282.62)
NetR11_2: R11.2 U9.7 | length 68.1
  Top Layer w8: U9.7 6656.46,1212.8 6672.29,1196.97 R11.2
POWER_LED: LED1.2 U1.12 | length 157.8
  Top Layer w7.99: U1.12 6257.72,1588.27 6255.95,1590.03 6255.95,1670.95 6264.74,1679.74 LED1.2
TARGET_TCK: U1.39 U2.2 | length 688.3
  Top Layer w7.99: v1(6025,1380) 6026.86,1378.14 6026.86,1370.96 6032.84,1364.98 6042.59,1364.98 6051.32,1356.25 6051.32,1355.9 6056.1,1351.11 U1.39 ; v1(6450,1650) 6451.65,1650 6453.33,1651.67 U2.2@6450,1655
  Bottom Layer w7.99: v1(6025,1380) 6023.31,1381.69 6023.31,1403.31 6052.15,1432.15 6052.15,1432.4 6082.6,1462.85 6082.85,1462.85 6105,1485 6357.78,1485 6415,1542.22 6415,1625 6438.25,1648.25 6448.25,1648.25 v1(6450,1650)
TARGET_TDI: U1.42 U2.3 | length 603.9
  Top Layer w7.99: v1(6110,1425) 6110,1422.37 6115.08,1417.29 6115.08,1320.63 U1.42 ; U2.3 6460.04,1625 6485,1625
  Bottom Layer w7.99: v1(6110,1425) 6110,1440 6135,1465 6365,1465 6435,1535 6435,1609.75 v1(6445.12,1619.88)
TARGET_TDO: U1.43 U8.3 | length 431.1
  Top Layer w7.99: U1.43 6134.92,1320.63 6134.92,1394.92 v1(6135,1395) ; U8.3@6450,1480 6452.8,1477.2 U8.3
  Bottom Layer w7.99: v1(6135,1395) 6165,1425 6374.75,1425 6424.15,1474.4 6449.4,1474.4 v1(6450,1475)
TARGET_TMS_DBGI: U1.41 U9.2 | length 635.4
  Top Layer w7.99: v1(6085,1370) 6085,1367.37 6094.74,1357.63 6094.74,1321.28 U1.41 ; U9.2 6500.16,1212.8 6507.37,1220 v1(6510,1220)
  Bottom Layer w7.99: v1(6085,1370) 6085,1367.37 6089.25,1363.12 6089.25,1360.75 6144.15,1305.85 6349.15,1305.85 6360,1295 6465,1295 6475,1285 6475,1245.02 6474.74,1244.76 6474.74,1225.26 6480.49,1219.51 6509.51,1219.51 v1(6510,1220)
TARGET_TMS_DBGO: U1.40 U6.3 | length 563.1
  Top Layer w7.99: v1(6070,1425) 6068.14,1423.14 6068.14,1404.52 6065,1401.38 6065,1362.26 6071,1356.25 6071,1355.9 6075.79,1351.11 U1.40 ; U6.3@6452.8,1332.2 U6.3
  Bottom Layer w7.99: v1(6070,1425) 6070,1410.25 6102.85,1377.4 6102.85,1372.15 6155,1320 6360,1320 6370,1310 6430,1310 v1(6450,1330)
TARGET_UART_RX: U1.17 U6.2 | length 656
  Top Layer w7.99: v1(6090,1445) 6154.6,1509.6 U1.17@6154.6,1629.6 ; U6.2@6452.8,1357.8 U6.2
  Bottom Layer w7.99: v1(6090,1445) 6090,1413.62 6168.62,1335 6370,1335 6379.26,1325.74 6420.15,1325.74 v1(6450,1355.59)
TARGET_UART_TX: U1.16 U8.2 | length 550.5
  Top Layer w7.99: v1(6145,1435) 6145,1470 6174.21,1499.21 U1.16
  Bottom Layer w7.99: v1(6145,1435) 6155,1445 6370,1445 6430,1505 v1(6450,1505)
TARGET_VCC: JP1.4 JP2.1 R7.2 U2.8 U6.8 U7.5 U7.6 U8.8 U9.8 | length 447.4
  Top Layer w8: R7.2 6418.18,1397.98 6422.05,1401.85 6424.02,1401.85 6437.17,1415 v1(6565,1415) ; U9.8 6641.61,1238.39 6649.37,1230.63 U7.6
  Top Layer w10: v1(6565,1415) 6565,1390 6571.61,1383.39 U6.8 ; v1(6570,1230) 6571.04,1230 6579.42,1238.39 U9.8 ; v1(6577.41,1529.4) 6578.43,1528.39 U8.8 ; v1(6577.41,1674.4) 6578.43,1673.39 U2.8
USB_CC1: J2.A5 R4.2 U4.4 U4.7 | length 602.3
  Top Layer w7.99: v1(5760,1475) 5760.39,1474.61 5797.59,1474.61 J2.A5 ; v1(5850.27,1636.57) 5873.13,1636.57 R4.2 ; U4.4 U4.7 5906.74,1395.63
  Bottom Layer w7.99: v1(5760,1475) 5860,1375 5899.75,1375 v1@5914.75,1390 ; v1(5850.27,1636.57) 5835,1621.3 5835,1610.96 5834.57,1610.53 5834.57,1595.74 5835,1595.32 5835,1490 5897.15,1427.85 5897.15,1407.6 v1@5914.75,1390 ; v1(5915,1390) v1@5914.75,1390
USB_CC2: J2.B5 R5.2 U4.5 U4.6 | length 432.3
  Top Layer w7.99: J2.B5 5799.89,1358.01 5823.01,1358.01 5840.94,1375.94 U4.5 5897.07,1375.94 5906.15,1366.86 5913.14,1366.86 v1(5915,1365) ; v1(5852.43,1603.14) 5854,1604.71 R5.2
  Bottom Layer w7.99: v1@5851.92,1600 5852.43,1599.49 5852.43,1497.57 5917.15,1432.85 5922.4,1432.85 5932.85,1422.4 5932.85,1382.28 5915.58,1365 v1(5915,1365)
USB_HS_D_N: J2.A7 J2.B7 R2.1 U4.1 U4.10 | length 392.5
  Top Layer w7.77: J2.A7 5795.96,1417.18 5769.55,1417.18 5765,1421.73 5765,1447.96 5769.55,1452.51 J2.B7@5797.98,1452.51 ; J2.B7 U4.1@5849.78,1454.53 ; U4.1@5855,1455 5855.31,1454.68 U4.1 U4.10 5890.05,1454.74 5903.92,1454.74 5908.47,1459.29 5908.47,1473.48 5901.94,1480 5861.49,1480 5842.23,1499.26 5842.23,1553.9 5854.71,1566.38 5868.35,1566.38 5875,1573.03 R2.1
USB_HS_D_P: J2.A6 J2.B6 R3.1 U4.2 U4.9 | length 367.6
  Top Layer w7.77: J2.B6 5800,1397.49 5821.43,1397.49 5829.5,1405.57 5829.5,1424.74 5821.43,1432.82 ; J2.A6 5837.46,1434.84 5837.62,1435 U4.2 U4.9@5885,1435 ; R3.1 5875,1546.97 5868.35,1553.62 5860,1553.62 5855,1548.62 5855,1504.55 5866.78,1492.77 5907.23,1492.77 5921.23,1478.77 5921.23,1449.45 5906.84,1435.05 U4.9@5890.05,1435.05
VTARGET_TCK: JP1.5 JP2.4 U2.7 U5.1 U5.10 | length 1338.9
  Top Layer w8: U2.7 6642.2,1647.8 6655.43,1634.57 6655.43,1605 6660.99,1599.43 6674.94,1599.43 U5.1 U5.10 6729.37,1599.37 v1(6730,1600) ; JP2.4 6840,1560 6840,1655 6870,1685 7100,1685 7115,1670 7115,1579.99 JP1.5
  Bottom Layer w8: v1(6730,1600) 6731.86,1598.14 6731.86,1592.42 6752.66,1571.62 6916.62,1571.62 6940,1595 6940,1645.31 6944.69,1650 6970.31,1650 6975,1645.31 6975,1500 6960,1485 6914.69,1485 6885,1514.69 JP2.4
VTARGET_TDI: JP1.9 JP2.8 U2.6 U5.2 U5.9 | length 1203.6
  Top Layer w8: U2.6 6616.63,1618.33 6636.67,1618.33 6642.43,1612.57 6642.43,1587.57 6650.31,1579.68 U5.2 U5.9 6730.57,1579.68 6744.98,1565.27 6744.98,1555.62 v1(6746.84,1553.76) ; JP2.8 6895,1305 7095,1305 7100,1310 7100,1405 JP1.9
  Bottom Layer w8: v1(6746.84,1553.76) 6748.58,1555.5 6809.5,1555.5 6835,1530 6835,1485 6855,1465 6930,1465 6935,1460 6935,1445 6935,1441 6942,1434 6985.3,1434 6992.3,1427 6992.3,1413 6985.3,1406 6932.5,1406 6925.5,1399 6925.5,1385 6932.5,1378 6985.3,1378 6992.3,1371 6992.3,1357 6985.3,1350 6942,1350 6935,1343 6935,1325 6935,1320 6930,1315 JP2.8
VTARGET_TDO: JP1.7 JP2.6 U5.5 U5.6 U8.6 | length 1281.6
  Top Layer w8: U8.6 6616.63,1481.08 6641.08,1481.08 6658,1498 6658,1515 6663.63,1520.63 U5.5 U5.6 6714.93,1520.63 6725,1510.56 6725,1500 6685,1460 6660,1460 6650,1450 6650,1429.69 6654.69,1425 6695,1425 6740,1470 6924,1470 6928.69,1465.31 6928.69,1458.69 JP2.6 6885,1370 6870.5,1355.5 6868.23,1355.5 6844.5,1331.77 6844.5,1290.5 6860.5,1274.5 6901.77,1274.5 6912.27,1285 7105,1285 7120,1300 7120,1435 JP1.7
VTARGET_TMS: JP1.3 JP2.2 R11.1 U6.6 U7.2 U7.9 | length 1185.4
  Top Layer w8: U6.6 6616.63,1328.33 6635.31,1328.33 6642.43,1321.22 6642.43,1300 6652.74,1289.68 U7.2 U7.9 U7.9 6725.52,1289.75 6729.61,1293.84 v1(6732.24,1293.84) ; R11.1 6729.74,1195 v1(6730.23,1195.5) ; JP2.2 6936.69,1666.69 7093.31,1666.69 7100,1660 7100,1614.87 7070.13,1585 JP1.3
  Bottom Layer w8: v1(6730.23,1195.5) 6731.24,1196.5 6731.24,1292.84 v1(6732.24,1293.84) 6732.24,1447.76 6695,1485 6695,1510 6695,1645 6715,1665 6835,1665 JP2.2
VTARGET_TRST: JP1.11 JP2.10 U1.45 U7.4 U7.7 | length 1253.6
  Top Layer w7.99: U1.45 6174.94,1319.82 6174.94,1275.06 v1(6175,1275)
  Top Layer w8: v1(6380,1260) 6381.86,1258.14 6400.49,1258.14 6401.49,1257.14 6517.68,1257.14 6517.8,1257.26 6634,1257.26 6639.12,1252.14 6646.24,1252.14 6648.07,1250.31 U7.4 U7.7 6755.76,1250.31 6760.94,1255.5 6814.5,1255.5 6847.24,1222.76 6877.24,1222.76 6893.5,1206.5 6928.5,1206.5 6970,1165 7035,1165 7045,1175 7045,1255 7055,1265 v1(7105,1265) ; JP1.11 JP1.11@7075,1385
  Bottom Layer w7.99: v1(6175,1275) 6225,1275 6240,1260 v1(6380,1260)
  Bottom Layer w8: JP1.11 7105,1350 v1(7105,1265)
VTARGET_UART_RX: J1.1 JP1.14 U6.7 U7.1 U7.10 | length 659.5
  Top Layer w8: U6.7 6616.63,1353.92 6635.31,1353.92 6655.42,1333.81 6655.42,1315 6661.06,1309.37 U7.1 U7.10 6714.93,1309.37 6761.06,1355.5 6809.5,1355.5 6825,1340 6825,1332.27 6825.5,1331.77 6825.5,1284.5 6854.5,1255.5 6959.5,1255.5 J1.1 ; JP1.14@7020,1331.59 JP1.14
  Bottom Layer w8: J1.1 7000,1311.58 7020,1331.59 JP1.14
VTARGET_UART_TX: J1.2 JP1.13 U5.4 U5.7 U8.7 | length 997.7
  Top Layer w8: U8.7 6616.63,1506.67 6636.67,1506.67 6645,1515 6645,1530 6655.31,1540.31 U5.4 U5.7 6714.56,1533.63 6720.32,1533.63 6720.38,1533.57 6721.57,1533.57 6725.14,1530 6736.73,1530 v1(6736.86,1529.87)
  Bottom Layer w8: v1(6736.86,1529.87) 6736.86,1505.87 6772.73,1470 6805,1470 6830,1445 6830,1290 6855,1265 6920,1265 6935,1250 6935,1180 6960,1155 7080,1155 7090,1165 7090,1205 J1.2 7100,1219.3 7070,1249.3 JP1.13
pads on no net: J2. J2.A8 J2.B8 JP1.1 JP1.2 JP1.10 U1.2 U1.5 U1.6 U1.13 U1.14 U1.15 U1.18 U1.19 U1.20 U1.21 U1.22 U1.24 U1.29 U1.30 U1.31 U1.32 U1.33 U1.35 U1.36 U1.38 U1.46 U4.3@5857.13,1415.31 U4.8@5890,1415.31 U5.3@6675,1560 U5.8@6707.87,1560 U7.3@6675,1270 U7.8@6707.87,1270 U9.3 U9.6

## Polygon pours and split planes (outlines as drawn)
GND on Bottom Layer "NONET_L04_P000" (solid, remove dead copper, shelved, pour order 0): 5555,1695 5575,1715 7115,1715 7145,1685 7145,1155 7115,1125 5580,1125 5555,1150
GND on Top Layer "" (solid, remove dead copper, shelved, pour order 1): 5555,1680 5590,1715 7110,1715 7145,1680 7145,1160 7110,1125 5585,1125 5555,1155
3V3 on Int2 (PWR) (split plane): 5614.25,1694.9 6532.45,1694.9 6532.45,1144.55 5614.25,1144.55 5613.76,1144.5 5609.16,1144.8 5604.15,1145.8 5599.31,1147.44 5594.73,1149.7 5590.49,1152.53 5586.65,1155.9 5583.28,1159.74 5580.44,1163.98 5578.18,1168.56 5576.54,1173.4 5575.55,1178.41 5575.25,1183.01 5575.29,1183.5 5575.29,1655.94 5575.25,1656.43 5575.55,1661.04 5576.54,1666.05 5578.18,1670.88 5580.44,1675.46 5583.28,1679.71 5586.65,1683.55 5590.49,1686.92 5594.73,1689.75 5599.31,1692.01 5604.15,1693.65 5609.16,1694.65 5613.76,1694.95
TARGET_VCC on Int2 (PWR) (split plane): 7091.04,1694.65 7096.05,1693.65 7100.88,1692.01 7105.46,1689.75 7109.71,1686.92 7113.55,1683.55 7116.92,1679.71 7119.75,1675.46 7122.01,1670.88 7123.65,1666.05 7124.65,1661.04 7124.95,1656.43 7124.9,1655.94 7124.9,1183.5 7124.95,1183.01 7124.65,1178.41 7123.65,1173.4 7122.01,1168.56 7119.75,1163.98 7116.92,1159.74 7113.55,1155.9 7109.71,1152.53 7105.46,1149.7 7100.88,1147.44 7096.05,1145.8 7091.04,1144.8 7086.44,1144.5 7085.94,1144.55 6537.55,1144.55 6537.55,1694.9 7085.94,1694.9 7086.44,1694.95
GND on Int1 (GND) (split plane): 7091.04,1694.65 7096.05,1693.65 7100.88,1692.01 7105.46,1689.75 7109.71,1686.92 7113.55,1683.55 7116.92,1679.71 7119.75,1675.46 7122.01,1670.88 7123.65,1666.05 7124.65,1661.04 7124.95,1656.43 7124.9,1655.94 7124.9,1183.5 7124.95,1183.01 7124.65,1178.41 7123.65,1173.4 7122.01,1168.56 7119.75,1163.98 7116.92,1159.74 7113.55,1155.9 7109.71,1152.53 7105.46,1149.7 7100.88,1147.44 7096.05,1145.8 7091.04,1144.8 7086.44,1144.5 7085.94,1144.55 5614.25,1144.55 5613.76,1144.5 5609.16,1144.8 5604.15,1145.8 5599.31,1147.44 5594.73,1149.7 5590.49,1152.53 5586.65,1155.9 5583.28,1159.74 5580.44,1163.98 5578.18,1168.56 5576.54,1173.4 5575.55,1178.41 5575.25,1183.01 5575.29,1183.5 5575.29,1655.94 5575.25,1656.43 5575.55,1661.04 5576.54,1666.05 5578.18,1670.88 5580.44,1675.46 5583.28,1679.71 5586.65,1683.55 5590.49,1686.92 5594.73,1689.75 5599.31,1692.01 5604.15,1693.65 5609.16,1694.65 5613.76,1694.95 5614.25,1694.9 7085.94,1694.9 7086.44,1694.95

## Other copper
Top Layer:
  region net NetC7_1: 6095,1255 6130,1255 6135,1250 6135,1225 6165,1225 6165,1265 6095,1265
  region net 3V3: 5995,1130 6165,1130 6170,1135 6170,1195 6135,1195 6135,1180 6130,1175 6015,1175 6005,1185
  region net 5V: 5780,1320 5825,1320 5830,1315 5830,1300 5835,1295 5875,1295 5880,1300 5880,1340 5875,1345 5775,1345
  region net GND: 5890,1335 5890,1215 6000,1215 6000,1280 5990,1290 5990,1325 5980,1335
  region net GND: 6000,1215 5770,1215 5760,1205 5760,1140 5750,1130 5595,1130 5565,1160 5565,1280 5590,1305 5730,1305 5745,1290 5990,1290 6000,1280
  region net 3V3: 5770,1205 5825,1205 5835,1195 5835,1155 5840,1150 5880,1150 5885,1155 5885,1185 5890,1190 6000,1190 6005,1185 6005,1140 5995,1130 5770,1130
  region net 5V: 5840,1160 5840,1200 5850,1210 6065,1210 6065,1180 6020,1180 6005,1195 5885,1195 5880,1190 5880,1160
  region net 5V: 5775,1530 5765,1520 5740,1520 5725,1535 5725,1695 5660,1695 5655,1690 5655,1515 5665,1505 5820,1505 5820,1530
  region net GND: 5820,1540 5775,1540 5775,1560 5770,1565 5740,1565 5735,1570 5735,1690 5740,1695 5815,1695 5820,1690
Int2 (PWR) (plane layer: these items are gaps in the copper):
  lines w5: 6535,1695 6535,1115 6540,1110

## Silkscreen, mask and mechanical layers (free items; w line width, h text height)
Top Overlay:
Bottom Overlay:
  text "JTAG-10" at 6917.82,1665.36 h50
  text "STDC-14" at 7125.81,1665.36 h50
  text "Cattus™ DAP" at 6433.94,1608.23 h100
  text "TMS" at 6932.38,1550.36 h50
  text "HS-Ia" at 6433.57,1536.58 h80
  text "TCK" at 6927.56,1450.36 h50
  text "TDO" at 6932.11,1350.36 h50
  text ".Print_Date" at 5605.04,1306.04 h50 r270
  text "RX | TX" at 7120.7,1264.49 h50
  text "TDI" at 6920.05,1250.37 h50
  text "TRST" at 6933.82,1150.36 h50
Mechanical 1:
  the board outline again, w10